# Altium PCB PCBA-2075-01.PcbDoc (part 2 of 2)
Units mil, origin at the board's own origin, x right, y up, seen from the top; angles counter-clockwise.
Board outline 4700 x 3550 mil, 4 copper layers (L1, L2, L3, L4), stack 65.3 mil thick; 112 components, 140 nets, 733 pads, 400 vias.
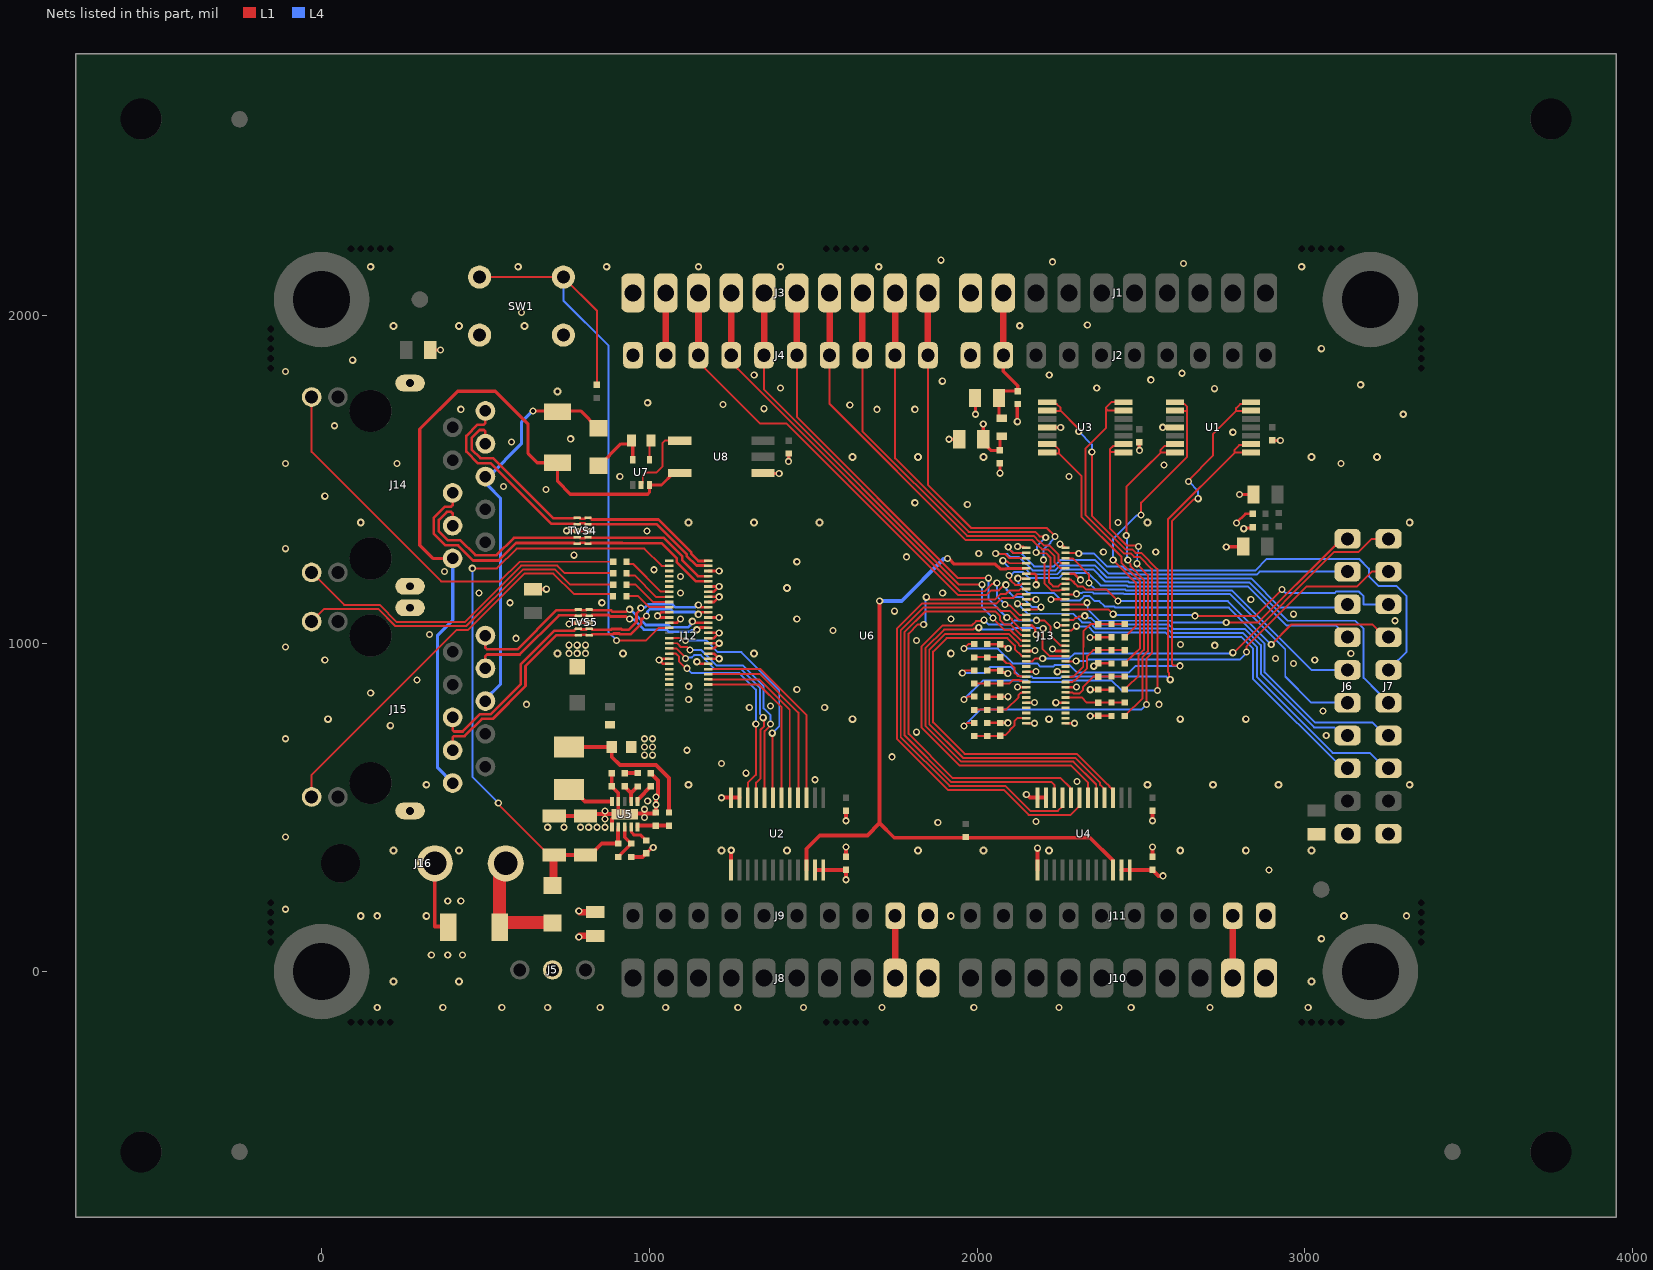
[diagram p4: the nets of this part, all layers, seen from the top]

## Via types
v1: diameter 22, hole 12, L1 to L4, tented both sides, 352 vias
v2: diameter 24, hole 12, L1 to L4, tented both sides, 48 vias

## Nets (pads, with @x,y where several pads share a name; then routed paths per layer and width w, separated by ;. In a path a pad name is that pad's centre, name@x,y a point inside that pad or via, vN(x,y) a via of type N, cw(c..) or ccw(c..) an arc to the next point about the centre after c; other vN are vias at no path point) (continued)
GND: C1.1 C2.2 C3.2 C4.1 C5.2 C6.1 C7.2 C8.1 C9.1 C10.1 C11.1 C12.1 C13.1 C14.1 C15.1 C16.1 C17.2 C18.1 C19.1 C20.1 C21.1 C22.1 C23.1 C24.2 C25.1 C26.1 C27.1 C28.1 C29.1 C30.2 C31.1 C32.1 C33.1 C34.1 J1.10 J2.10 J3.10 J4.10 J6.10 J7.10 J8.10 J9.10 J10.10 J11.10 J12.5 J12.11 J12.13 J12.15 J12.17 J12.22 J12.23 J12.24 J12.26 J12.29 J12.31 J12.33 J12.35 J12.37 J12.39 J12.40 J12.41 J12.42 J13.1 J13.2 J13.11 J13.12 J13.21 J13.22 J13.31 J13.32 J13.41 J13.42 J13.49 J13.50 J13.55 J13.56 J13.61 J13.62 J13.69 J13.70 J14.SHIELD J15.SHIELD J16.1 R2.1 R4.1 R6.1 R8.1 R11.1 R13.1 R15.1 R17.1 R22.2 R28.1 SW1.2 TVS1.A TVS3.C TVS4.3 TVS4.8 TVS5.3 TVS5.8 U1.11 U2.11 U2.12 U2.13 U3.11 U4.11 U4.12 U4.13 U5.1 U5.9 U5.11 U6.A1 U6.A2 U6.A11 U6.A12 U6.A21 U6.A22 U6.A31 U6.A32 U6.A41 U6.A42 U6.A49 U6.A50 U6.A55 U6.A56 U6.A61 U6.A62 U6.A69 U6.A70 U6.B5 U6.B11 U6.B13 U6.B15 U6.B17 U6.B22 U6.B23 U6.B24 U6.B26 U6.B29 U6.B31 U6.B33 U6.B35 U6.B37 U6.B39 U6.B40 U6.B41 U6.B42 U8.4 | length 3835.8
  L1 w8: C25.1@331.42,1896 v1(363,1896) ; v1(1025,1085) 1029.88,1080.12 J12.24@1060.35,1080.12 ; v1@1025.29,1085 1036.15,1095.87 J12.22@1060.35,1095.87 ; J12.42@1059.37,938.39 1041.61,938.39 v1(1030,950) 1033.79,950 1037.92,954.13 J12.40@1059.37,954.13 ; J12.26@1060.35,1064.37 1084.37,1064.37 v1(1095,1075) ; v1(1145,945) 1151.61,938.39 J12.41@1179.65,938.39 ; J12.39@1180.63,954.13 1212.55,954.13 1196.8,969.88 J12.37@1180.63,969.88 ; J12.35@1180.63,985.63 1196.8,985.63 v1@1212.55,1001.38 ; J12.33@1180.63,1001.38 v1@1212.55,1001.38 ; J12.31@1180.63,1017.13 1196.8,1017.13 v1@1212.55,1032.87 ; J12.29@1180.63,1032.87 v1@1212.55,1032.87 ; J12.23@1180.63,1080.12 v1(1213.15,1080.12) ; J12.17@1180.63,1127.36 1196.8,1127.36 v1@1212.55,1143.11 ; J12.15@1180.63,1143.11 v1@1212.55,1143.11 ; J12.13@1180.63,1158.86 1196.8,1158.86 v1@1212.55,1174.61 ; J12.11@1180.63,1174.61 v1@1212.55,1174.61 ; J12.5@1180.63,1221.85 v1(1213.15,1221.85) ; v1(1213.15,1001.38) v1@1212.55,1001.38 ; v1(1213.15,1032.87) v1@1212.55,1032.87 ; v1(1213.15,1143.11) v1@1212.55,1143.11 ; v1(1213.15,1174.61) v1@1212.55,1174.61 ; R13.1@2030.63,758.56 v1(2093.56,758.56) ; R15.1@2030.63,838.39 v1(2094.14,838.39) ; R2.1@2030.63,918.56 2070.63,918.56 C10.1@2070.63,918.07 2076.47,912.23 2087.13,912.23 2089.92,909.44 v1(2093.71,909.44) ; R4.1@2030.63,998.56 2070.63,998.56 C11.1@2070.63,998.07 2076.47,992.23 2083.98,992.23 2091.21,985 v1(2095,985) ; v1(2069.69,1520.31) C2.2@2069.69,1550.31 ; v1(2123.3,867.52) J13.56@2149.37,867.52 ; v1(2123.71,1296.97) 2124.52,1296.16 2139.43,1296.16 2142.87,1292.72 J13.2@2150.35,1292.72 ; J13.70@2149.37,757.28 v1(2175.44,757.28) ; J13.62@2149.37,820.28 v1(2175.44,820.28) ; J13.50@2149.37,914.76 v1@2175.44,914.76 ; J13.32@2149.37,1056.5 2165.54,1056.5 2177.47,1044.57 2177.47,1031.01 v1(2180.15,1028.34) ; J13.42@2150.12,977.76 2175.3,977.76 v1(2176.41,978.87) ; J13.22@2150.35,1135.24 2178.33,1135.24 v1(2179.08,1134.49) ; J13.12@2150.35,1213.98 2175.15,1213.98 2180.15,1208.98 v1(2180.15,1179.94) ; v1(2225.16,1134.84) 2225.56,1135.24 J13.21@2270.63,1135.24 ; v1(2230,984) 2233.79,984 2240.04,977.76 J13.41@2269.88,977.76 ; v1(2243.5,1056.5) J13.31@2270.63,1056.5 ; v1@2244.56,820.28 J13.61@2270.63,820.28 ; v1(2244.56,914.76) J13.49@2270.63,914.76 ; v1(2252.73,1303.72) 2256.52,1303.72 2267.52,1292.72 J13.1@2270.63,1292.72 ; J13.69@2270.63,757.28 v1(2296.7,757.28) ; J13.55@2270.63,867.52 v1(2303.26,867.52) ; J13.11@2270.63,1213.98 2296.02,1213.98 v1(2315,1195) ; v1(2344.41,1018.95) 2345.1,1019.63 2369.81,1019.63 2370,1019.82 R6.1@2410,1019.82 ; v1(2345.18,779.82) R11.1@2410,779.82 ; v1(2345.18,859.82) R8.1@2410,859.82 ; v1(2355.73,931.52) 2359.52,931.52 2362.47,934.47 2364.65,934.47 2370,939.82 R17.1@2410,939.82 ; v1(2791.54,1368.52) 2791.54,1369.24 2818.47,1396.17 C7.2@2840.31,1396.17 ; v1(2800,1455) C6.1@2843.27,1455
  L1 w10: C26.1@645,1166.42 v1(685.85,1166.42) ; v1(747.88,1344.69) TVS4.8@780,1344.69 TVS4.3@812.87,1344.69 ; v1(754.65,1060.35) 756.94,1062.65 781.21,1062.65 TVS5.3@783.56,1065 TVS5.8@816.44,1065 ; U8.4@1347.17,1520 1347.62,1519.55 1395.79,1519.55 v1(1396.24,1519.1) ; v1(1425,1556.36) C24.2@1425,1580.31 ; v1(1913.79,1623.79) C1.1@1945.87,1623.79 ; C8.1@1993.58,1750 1995,1748.58 v1(1995,1700) ; v1(2122.65,1677.35) 2122.65,1729.96 C9.1@2124,1731.31 ; U3.11@2230,1660 2230.09,1659.91 2254.73,1659.91 v1@2254.82,1660 ; v1(2495,1590) C17.2@2495,1614.72 ; v1(2566.26,1660.09) 2566.31,1660.04 2589.96,1660.04 U1.11@2590,1660 ; v1(2760,1295) 2761.11,1296.11 C4.1@2811.67,1296.11 ; v1(2813.34,1350.94) 2815.37,1352.97 2838.29,1352.97 C5.2@2840.31,1355 ; C3.2@2900,1620.31 2900.16,1620.16 2924.84,1620.16 v1(2925,1620)
  L1 w12: J16.1@345.43,330 345.43,137.03 384.82,137.03 TVS3.C@386.85,135 ; C27.1@710,474.06 C28.1@805,474.06 810.94,480 U5.11@899.8,480 ; C33.1@885.31,605 C32.1@885.31,565 905.22,545.09 905.22,519.07 U5.9@905.31,518.98 905.31,487.09 U5.11@912.4,480 ; U5.1@885.63,441.02 885.72,441.12 885.72,465.92 U5.11@899.8,480 ; R22.2@945,349.82 979.51,349.82 1005.78,376.1 1010.14,376.1 v1(1012.05,378.01) ; C31.1@1005,604.68 1026.84,582.84 1026.84,539.11 v1(1020,532.26) R28.1@1020,485.18 1017.41,482.59 935,482.59 932.41,480 U5.11@925,480 U5.11@912.4,480 ; v1(1220,530) 1220.24,530.24 U2.12@1249.25,530.24 U2.11@1274.84,530.24 ; U2.13@1249.25,309.76 1249.25,369.25 v1(1250,370) ; v1(1600,380) 1600,353.53 C15.1@1603.84,349.68 ; v1(1600,460) 1600,486.47 C14.1@1603.84,490.32 ; v1(2150,540) 2151.89,540 2161.65,530.24 U4.12@2184.25,530.24 U4.11@2209.84,530.24 ; U4.13@2184.25,309.76 2184.35,309.86 2184.35,376.08 v1(2184.53,376.26) ; C20.1@2535,353.53 v1(2535,380) ; v1(2535,460) C19.1@2535,486.47 ; U5.11@899.8,480 U5.11@912.4,480
  L1 w20: v1(785,185) 788.58,181.42 C12.1@835,181.42
  other v1: 170,-110 370,-110 550,-110 690,-110 850,-110 1050,-110 1270,-110 1470,-110 1710,-110 1990,-110 2250,-110 2470,-110 2710,-110 3010,-110 335,50 385,50 430,50 3050,100 170,170 3310,170 -110,190 385,215 425,215 2890,310 -110,410 690,440 740,440 790,440 815,440 840,440 865,440 1880,455 2180,457.74 865,465 985,470 865,490 985,495 1020,508.72 995,520 2305,580 1505,585 1295,605 1220,635 1740,655 985,660 1010,660 1115,675 985,685 1010,685 -110,710 985,710 1010,710 3065,720 1815,730 210,750 3055,795 1305,805 1535,805 1370,810 625,815 2555,815 2240,820 1120,830 150,850 1450,860 1120,870 291.28,889.04 2180,915 2965,940 10,950 3030,950 1213.15,954.13 2910,955 3140,970 755,970.59 780,970.59 805,970.59 -110,990 2725,995 755,995.59 780,995.59 805,995.59 2620.36,997.72 1815,1010 593.41,1016.53 329.85,1028.32 1560,1040 3275,1070 1450,1075 1920,1075 2965,1090 1748.35,1099.17 575,1125 855,1125 2835,1135 480,1155 1095,1155 1895,1155 1095,1205 375,1220 1014.06,1225.7 1450,1250 1785,1265 770,1270 2005,1275 2385,1280 2545,1280 -110,1290 993.17,1343.79 2430,1370 1970,1425 1810,1430 10,1450 685,1470 555,1480 910,1510 2280,1510 2570,1545 -110,1550 230,1550 3110,1550 579.44,1615.56 760,1625 2780,1645 2255,1659.82 40,1665 3300,1700 425,1715 1695,1715 1810,1715 1349.76,1716.91 1611.72,1727.87 1225,1730 995,1735 2723.81,1778.01 1400,1780 2365,1780 3170,1790 1893.86,1800.82 2530,1805 1320,1820 2220,1820 2625,1825 -110,1830 95,1865 3050,1900 2130,1970 2336.23,1972.29 610,2010 150,2150 600,2150 870,2150 1150,2150 1400,2150 1700,2150 2990,2150 2630,2160 2230,2165 1890,2170
  other v2: 219.68,-30.32 419.68,-30.32 3019.69,-30.32 119.68,169.68 319.68,169.68 1919.69,169.68 3119.69,169.68 219.68,369.68 419.68,369.68 1219.69,369.68 1419.69,369.68 1819.69,369.68 2019.69,369.68 2219.69,369.68 2619.69,369.68 2819.69,369.68 3019.69,369.68 319.68,569.68 1119.69,569.68 2519.69,569.68 2719.69,569.68 2919.69,569.68 3319.69,569.68 19.68,769.68 1619.69,769.68 2219.69,769.68 2619.69,769.68 2819.69,769.68 719.69,969.68 919.69,969.68 1319.69,969.68 1919.69,969.68 1419.69,1169.69 119.68,1369.69 1119.69,1369.69 1319.69,1369.69 1519.69,1369.69 2519.69,1369.69 3319.69,1369.69 1619.69,1569.69 1819.69,1569.69 2019.69,1569.69 3019.69,1569.69 3219.69,1569.69 719.69,1769.69 219.68,1969.69 419.68,1969.69 619.68,1969.69
LED_B: J12.12 U6.B12
LED_G: J12.8 U6.B8
LED_R: J12.10 U6.B10
M_STOP: D2.A J14.6 J15.6 TVS2.C | length 1205.9
  L1 w10: v1(645,1710) 720,1710 790.12,1710 843.03,1657.09 D2.A@845,1657.09
  L4 w10: J15.6@500,830 546,876 546,1444 509.57,1480.43 509.57,1500.43 J14.6@500,1510 510,1510 610,1610 610,1675 v1(645,1710)
M_STOP_RTN: J14.1 J15.1 TVS2.A U7.3 U8.3 | length 2285.6
  L1 w10: J14.1@400,1260 340,1260 300,1300 300,1655 415,1770 530,1770 630,1670 630,1580 658.15,1551.85 TVS2.A@720,1551.85 720,1495 758.7,1456.3 995.18,1456.3 1000.59,1461.72 U7.3@1000.59,1484.11 1037.19,1484.11 1073.07,1520 U8.3@1092.83,1520
  L4 w10: J15.1@400,575 354,621 354,1026 400,1072 J14.1@400,1255
NetC29_2: C29.2 FB3.1 L1.2 R21.2 | length 467
  L1 w12: L1.2@755,684.96 L1.2@755,684.96 C29.2@885.47,685 885.47,654.53 910.19,629.81 1020.19,629.81 1060,590 R21.2@1060,485.18
NetC30_1: C30.1 U5.4 | length 71.6
  L1 w10: U5.4@944.69,441.02 945.59,440.12 945.59,424.56 953.91,416.24 973.44,416.24 C30.1@990,399.68
NetC31_2: C31.2 U5.6 | length 64.3
  L1 w12: U5.6@964.37,518.98 964.37,526.66 964.46,526.76 966.44,526.76 C31.2@1005,565.31
NetC32_2: C32.2 R27.2 U5.7 | length 82.8
  L1 w12: C32.2@924.69,565 944.68,545 ; U5.7@944.69,518.98 944.68,545 ; R27.2@965,564.82 964.51,564.82 944.68,545
NetC33_2: C33.2 R27.1 | length 40.4
  L1 w12: C33.2@924.69,605 924.77,605.09 964.91,605.09 R27.1@965,605.18
NetD2_C: D2.C R18.2 U7.5 | length 179
  L1 w10: D2.C@845,1542.91 846.97,1542.91 913.41,1609.35 941.69,1609.35 942.34,1610 945.47,1610 949.41,1606.06 U7.5@949.41,1560.89
NetJ12_2: J12.2 U6.B2
NetJ12_6: J12.6 U6.B6
NetJ14_L2: J14.L2 R23.2 | length 1275.8
  L1 w6: J14.L2@-30,1752.5 -30,1585 365,1190 544.09,1190 604.09,1250 R23.2@889.82,1250
NetJ14_L4: J14.L4 R24.2 | length 1063.3
  L1 w6: J14.L4@-30,1217.5 69,1118.5 177.5,1118.5 230,1066 437.06,1066 609.06,1238 719.37,1238 742.37,1215 R24.2@889.82,1215
NetJ15_L2: J15.L2 R25.2 | length 1046
  L1 w6: J15.L2@-30,1072.5 -25,1072.5 9,1106.5 172.53,1106.5 225.03,1054 442.03,1054 614.03,1226 712.45,1226 758.45,1180 R25.2@889.82,1180
NetJ15_L4: J15.L4 R26.2 | length 1265.4
  L1 w6: J15.L4@-30,537.5 -30,600.15 411.85,1042 447,1042 619,1214 707.48,1214 769.64,1151.84 883.3,1151.84 889.65,1145.49 R26.2@889.65,1145
NetL1_1: L1.1 U5.10 | length 145.6
  L1 w12: L1.1@755,555.04 767.8,555.04 803.86,518.98 U5.10@885.63,518.98
NetR1_1: R1.1 U1.1 U1.2 | length 1597
  L1 w6: v1(1954.89,910.49) 1962.97,918.56 R1.1@1990.63,918.56 ; v1(2589.09,890.34) 2586.03,893.41 2586.03,910.31 2582.99,913.34 2582.99,1380.47 2785.75,1583.23 ; U1.1@2836.14,1583.23 2785.75,1583.23 ; U1.2@2836.14,1608.82 2832.87,1605.55 2799.58,1605.55 2785.75,1591.71 2785.75,1583.23
  L4 w6: v1(1954.89,910.49) 2021.13,910.49 2040.08,929.44 2102.06,929.44 2131.98,899.52 2167.2,899.52 2171.95,894.76 2252.85,894.76 2257.6,899.52 2577.57,899.52 2586.75,890.34 v1(2589.09,890.34)
NetR3_1: R3.1 U1.6 U1.7 | length 1757.9
  L1 w6: v1(1960,985) 1973.56,998.56 R3.1@1990.63,998.56 ; v1(2619.01,932.54) 2618.14,933.41 2599.01,933.41 2594.99,937.42 2594.99,1374.99 2660.32,1440.32 2672.21,1440.32 v1(2674.41,1442.52) ; v1(2645,1495) 2645,1499.33 2719.03,1573.36 2719.03,1639.03 2790,1710 ; U1.6@2836.14,1711.18 2834.96,1710 2790,1710 ; U1.7@2836.14,1736.77 2830.28,1730.91 2802.43,1730.91 2790,1718.49 2790,1710
  L4 w6: v1(1960,985) 2063.47,985 2108.59,939.88 2183.4,939.88 2193.28,930 2231.51,930 2236.28,934.76 2281.95,934.76 2305.2,911.52 2462.71,911.52 2483.73,932.54 v1(2619.01,932.54) ; v1(2645,1495) 2674.41,1465.59 v1(2674.41,1442.52)
NetR5_1: R5.1 U1.8 U1.9 | length 901.1
  L1 w6: v1(2415,1255) 2485,1185 2485,1054.33 2450.49,1019.82 R5.1@2450,1019.82 ; v1(2500,1393) 2500,1430.22 2640.42,1570.64 2640.42,1709.58 2640,1710 ; U1.9@2603.86,1711.18 2605.04,1710 2640,1710 ; U1.8@2627.41,1731.92 2628.42,1730.91 2633.27,1730.91 2640,1724.18 2640,1710
  L4 w6: v1(2415,1255) 2415,1320 2485.86,1390.86 2497.86,1390.86 v1(2500,1393)
NetR7_1: R7.1 U1.13 U1.14 | length 917.3
  L1 w6: R7.1@2450,859.82 2450.49,859.82 2456.84,866.17 2456.84,866.67 2492.84,902.67 2492.84,965.2 2509,981.36 2509,1194.94 2468.11,1235.83 2468.11,1242.81 2459.75,1251.17 v1(2459.75,1255.5) ; v1(2455,1330) 2455,1478.28 2509,1532.29 2509.06,1532.29 2560,1583.23 ; U1.14@2603.86,1583.23 2560,1583.23 ; U1.13@2603.86,1608.82 2598,1602.96 2571.25,1602.96 2560,1591.71 2560,1583.23
  L4 w6: v1(2455,1330) 2457.38,1327.62 2457.38,1257.88 v1(2459.75,1255.5)
NetR10_1: R10.1 U3.1 U3.2 | length 1002.7
  L1 w6: U3.1@2446.14,1583.23 2444.37,1585 2405,1585 ; U3.2@2446.14,1608.82 2440.28,1602.96 2414.48,1602.96 2405,1593.49 2405,1585 ; R10.1@2450,779.82 2450.49,779.82 2504.84,834.17 2504.84,960.23 2521,976.39 2521,1209 2488.11,1241.89 v1(2488.11,1244.11) ; v1(2491.9,1296.9) 2489.29,1299.5 2457.21,1299.5 2405,1351.72 2405,1585
  L4 w6: v1(2488.11,1244.11) 2488.5,1244.5 2488.5,1273.9 2491.5,1276.9 2491.5,1296.5 v1(2491.9,1296.9)
NetR12_1: R12.1 U3.6 U3.7 | length 1776.8
  L1 w6: v1(1960.33,749.08) 1969.81,758.56 R12.1@1990.63,758.56 ; U3.6@2446.14,1711.18 2398.51,1711.18 2395,1714.7 2393.74,1715.96 ; U3.7@2446.14,1736.77 2409.58,1736.77 2393.74,1720.93 2393.74,1715.96 ; v1(2516.84,814.74) 2516.84,955.26 2533,971.42 2533,1227.51 2495.61,1264.9 2478.64,1264.9 2468.04,1275.5 2447.27,1275.5 2330,1392.77 2330,1595 2393.74,1658.74 2393.74,1715.96
  L4 w6: v1(1960.33,749.08) 2011.07,799.82 2501.92,799.82 v1(2516.84,814.74)
NetR14_1: R14.1 U3.8 U3.9 | length 1760.5
  L1 w6: v1(1960,830) 1963.22,830 1971.79,838.56 R14.1@1990.63,838.56 ; U3.9@2213.86,1711.18 2215.04,1710 2255,1710 ; U3.8@2213.86,1736.77 2219.72,1730.91 2243.27,1730.91 2255,1719.18 2255,1710 ; v1(2310,1647.5) 2306.94,1650.56 2306.94,1658.06 2255,1710 ; v1(2350,1585) 2350,1389.75 2452.24,1287.5 2473.01,1287.5 2483.61,1276.9 2500.58,1276.9 2550,1227.48 v1(2550,857.43)
  L4 w6: v1(1960,830) 2017.52,887.52 2153.66,887.52 2158.41,882.76 2257.82,882.76 2262.57,887.52 2410.72,887.52 2440.81,857.43 v1(2550,857.43) ; v1(2310,1647.5) 2350,1607.5 v1(2350,1585)
NetR16_1: R16.1 U3.13 U3.14 | length 854.5
  L1 w6: U3.14@2213.86,1583.23 2217.09,1580 2250,1580 ; U3.13@2213.86,1608.82 2232.56,1608.82 2250,1591.38 2250,1580 ; R16.1@2450,939.82 2450.49,939.82 2480.84,970.17 2497,986.33 2497,1189.97 2439.75,1247.22 2439.75,1266.05 2318,1387.8 2318,1512 2250,1580
NetR18_1: R18.1 U7.4 | length 45.2
  L1 w6: U7.4@1000.59,1560.89 R18.1@1000.59,1606.06
NetR19_1: R19.1 R22.1 U5.3 | length 110.2
  L1 w10: R19.1@905,349.82 905.49,349.82 R22.1@940.16,384.49 ; U5.3@925.91,440.12 U5.3@925,441.02 925,409.69 944.51,390.18 R22.1@945,390.18
NetR21_1: R21.1 R28.2 U5.5 | length 99.4
  L1 w12: U5.5@964.37,441.02 964.37,444.73 964.46,444.82 R28.2@1020,444.82 R21.1@1060,444.82
NetU7_2: U7.2 U8.1 | length 229.3
  L1 w6: U7.2@975,1484.11 980,1489.11 980,1511.6 990.9,1522.5 1022.5,1522.5 1040,1540 1040,1611.77 1048.23,1620 U8.1@1092.83,1620
NRST: J12.44 U6.B44
P1LED0: J12.14 R23.1 U6.B14 | length 167.2
  L1 w6: R23.1@930.18,1250 930.18,1249.51 936.53,1243.16 950.41,1243.16 1034.71,1158.86 J12.14@1059.37,1158.86
P1LED1: J12.16 R24.1 U6.B16 | length 159.3
  L1 w6: R24.1@930.18,1215 930.18,1214.51 936.53,1208.16 955.05,1208.16 1020.1,1143.11 J12.16@1059.37,1143.11
P2LED0: J12.18 R25.1 U6.B18 | length 151
  L1 w6: R25.1@930.18,1180 958.26,1180 1010.9,1127.36 J12.18@1059.37,1127.36
P2LED1: J12.20 R26.1 U6.B20 | length 143.2
  L1 w6: R26.1@930,1145 966.24,1145 999.62,1111.61 J12.20@1059.37,1111.61
PA0_ADC123_CH0: C10.2 J13.54 R1.2 R2.2 U6.A54 | length 166.4
  L1 w6: R1.2@1990.63,878.21 R2.2@2030.63,878.21 2070.63,878.21 2098.21,878.21 2110,890 2127.88,890 2131.86,886.02 2136.84,886.02 2139.59,883.27 J13.54@2149.37,883.27
PA3_ADC123_CH3: C11.2 J13.52 R3.2 R4.2 U6.A52 | length 191
  L1 w6: R3.2@1990.63,958.21 1992.42,960 2030.63,960 2061.11,960 C11.2@2066.52,954.59 ; C11.2@2070.63,958.7 2077.47,951.86 2078.14,951.86 2089.6,940.4 2099.98,940.4 2113.54,926.85 2113.54,912.07 2123.61,902 2132.85,902 2134.83,900.02 2148.37,900.02 J13.52@2149.37,899.02
PA4_ADC12_CH4: C13.2 J13.51 R5.2 R6.2 U6.A51 | length 308.9
  L1 w6: J13.51@2270.63,899.02 2289.5,899.02 2290.01,899.52 2293.16,899.52 2323.73,930.09 2323.73,989.48 2324.41,990.16 2324.41,1038.03 2346.56,1060.18 2370,1060.18 R6.2@2410,1060.18 R5.2@2450,1060.18
PA5_ADC12_CH5: C16.2 J13.57 R7.2 R8.2 U6.A57 | length 208.2
  L1 w6: J13.57@2270.63,851.77 2290.73,851.77 2294.98,847.52 2311.55,847.52 2323.26,859.24 2323.26,868.26 2355.18,900.18 R8.2@2410,900.18 R7.2@2450,900.18
PA6_ADC12_CH6: C18.2 J13.59 R10.2 R11.2 U6.A59 | length 186.4
  L1 w6: J13.59@2270.63,836.02 2289.5,836.02 2290.01,835.52 2316.52,835.52 2317.02,836.02 2318.98,836.02 2334.82,820.18 R11.2@2410,820.18 R10.2@2450,820.18
PB0: J13.40 U4.4 U6.A40 | length 1203.9
  L1 w6: J13.40@2149.37,993.5 2130.51,993.5 2127,997.02 2127,999.42 2097.5,1028.91 1901.94,1028.91 1854,980.97 1854,754.94 1956.94,652 2298.8,652 2375.39,575.42 2375.39,569.42 2388.98,555.83 U4.4@2388.98,530.24
PB1: J13.44 U4.3 U6.A44 | length 1206.1
  L1 w6: J13.44@2150.35,962.01 2149.35,963.01 2135.58,963.01 2115,983.59 2115,994.45 2092.53,1016.91 1906.91,1016.91 1866,976 1866,759.91 1961.91,664 2303.77,664 2397.04,570.73 2398.61,570.73 2403.88,565.46 2403.88,563.89 2409.04,558.73 2411.66,558.73 2414.57,555.83 U4.3@2414.57,530.24
PB3: J12.46 U6.B46
PB9: J12.32 U2.7 U6.B32 | length 740.8
  L1 w6: J12.32@1059.37,1017.13 1097.62,1017.13 1101.69,1013.06 1106.94,1013.06 v1(1110,1010) ; v1(1375,727) 1376.1,725.9 1376.1,531.34 U2.7@1377.2,530.24
  L4 w6: v1(1110,1010) 1173.38,1010 1209.25,974.13 1280.87,974.13 1396.39,858.61 1396.39,748.39 v1(1375,727)
PC0_ADC123_CH10: C21.2 J13.68 R12.2 R13.2 U6.A68 | length 191.3
  L1 w6: R12.2@1990.63,718.21 R13.2@2030.63,718.21 2070.14,718.21 2072.89,720.96 2085.96,720.96 2100,735 2100,738.56 2101.85,738.56 2113.56,750.28 2113.56,763.56 2123.03,773.03 J13.68@2149.37,773.03
PC2_ADC123_CH12: C22.2 J13.58 R14.2 R15.2 U6.A58 | length 184.8
  L1 w6: R14.2@1990.63,798.21 1992.42,800 2030.63,800 2070.63,800 2089.47,800 2126.59,837.12 2126.59,843.75 2131.86,849.02 2134.09,849.02 2135.84,850.77 2148.37,850.77 J13.58@2149.37,851.77
PC3_ADC123_CH13: C23.2 J13.53 R16.2 R17.2 U6.A53 | length 241.1
  L1 w6: J13.53@2270.63,883.27 2290.73,883.27 2294.98,887.52 2298.13,887.52 2335.73,925.12 2335.73,961.98 2353.92,980.18 2370,980.18 R17.2@2410,980.18 R16.2@2450,980.18
PC6: J6.4 J13.16 U6.A16 | length 1206.1
  L1 w6: v1(2097.49,1207.66) 2100.55,1204.6 2100.55,1194.81 2104.25,1191.12 2115.96,1179.4 2132.53,1179.4 2135.61,1182.48 J13.16@2150.35,1182.48
  L4 w6: v1(2097.49,1207.66) 2101.82,1207.66 2113.57,1219.4 2139.69,1219.4 2159.15,1199.94 2248.88,1199.94 2263.94,1215 2339.34,1215 2376.56,1177.79 2456.05,1177.79 2458.83,1175 2825,1175 2945,1055 3095,1055 3100.41,1049.59 3100.41,1046.09 3126.49,1020 J6.4@3130,1020
PC7_PA8: J6.5 J13.5 U6.A5 | length 1016.7
  L1 w6: J13.5@2269.65,1261.22 2270.87,1260 2291.72,1260 2341.13,1210.59 v1(2341.13,1184.93)
  L4 w6: v1(2341.13,1184.93) 2360.27,1165.79 2451.08,1165.79 2453.86,1163 2777,1163 3020,920 J6.5@3130,920
PC8_PB10: J7.7 J13.14 U6.A14 | length 1426
  L1 w6: v1(2124.25,1199.4) 2124.83,1198.82 2149.77,1198.82 J13.14@2150.35,1198.23
  L4 w6: v1(2124.25,1199.4) 2125.56,1198.09 2125.56,1184.44 2155,1155 2233.28,1155 2256.19,1132.09 2313.81,1132.09 2326.72,1145 2343.28,1145 2358.28,1130 2372.72,1130 2388.93,1113.79 2417.93,1113.79 2421.72,1110 2767.73,1110 2877.37,1000.35 2877.37,912.63 3030,760 3205,760 3245,720 J7.7@3255,720